# Altium PCB NG2093.PcbDoc (part 6 of 8)
Units mm, origin at the board's own origin, x right, y up, seen from the top; angles counter-clockwise.
Board outline 125 x 63 mm, 6 copper layers (Top Copper, Signal Layer 1, Signal Layer 2, Signal Layer 3, Signal Layer 4, Bottom Copper), stack 1.579 mm thick; 379 components, 295 nets, 1557 pads, 1142 vias.
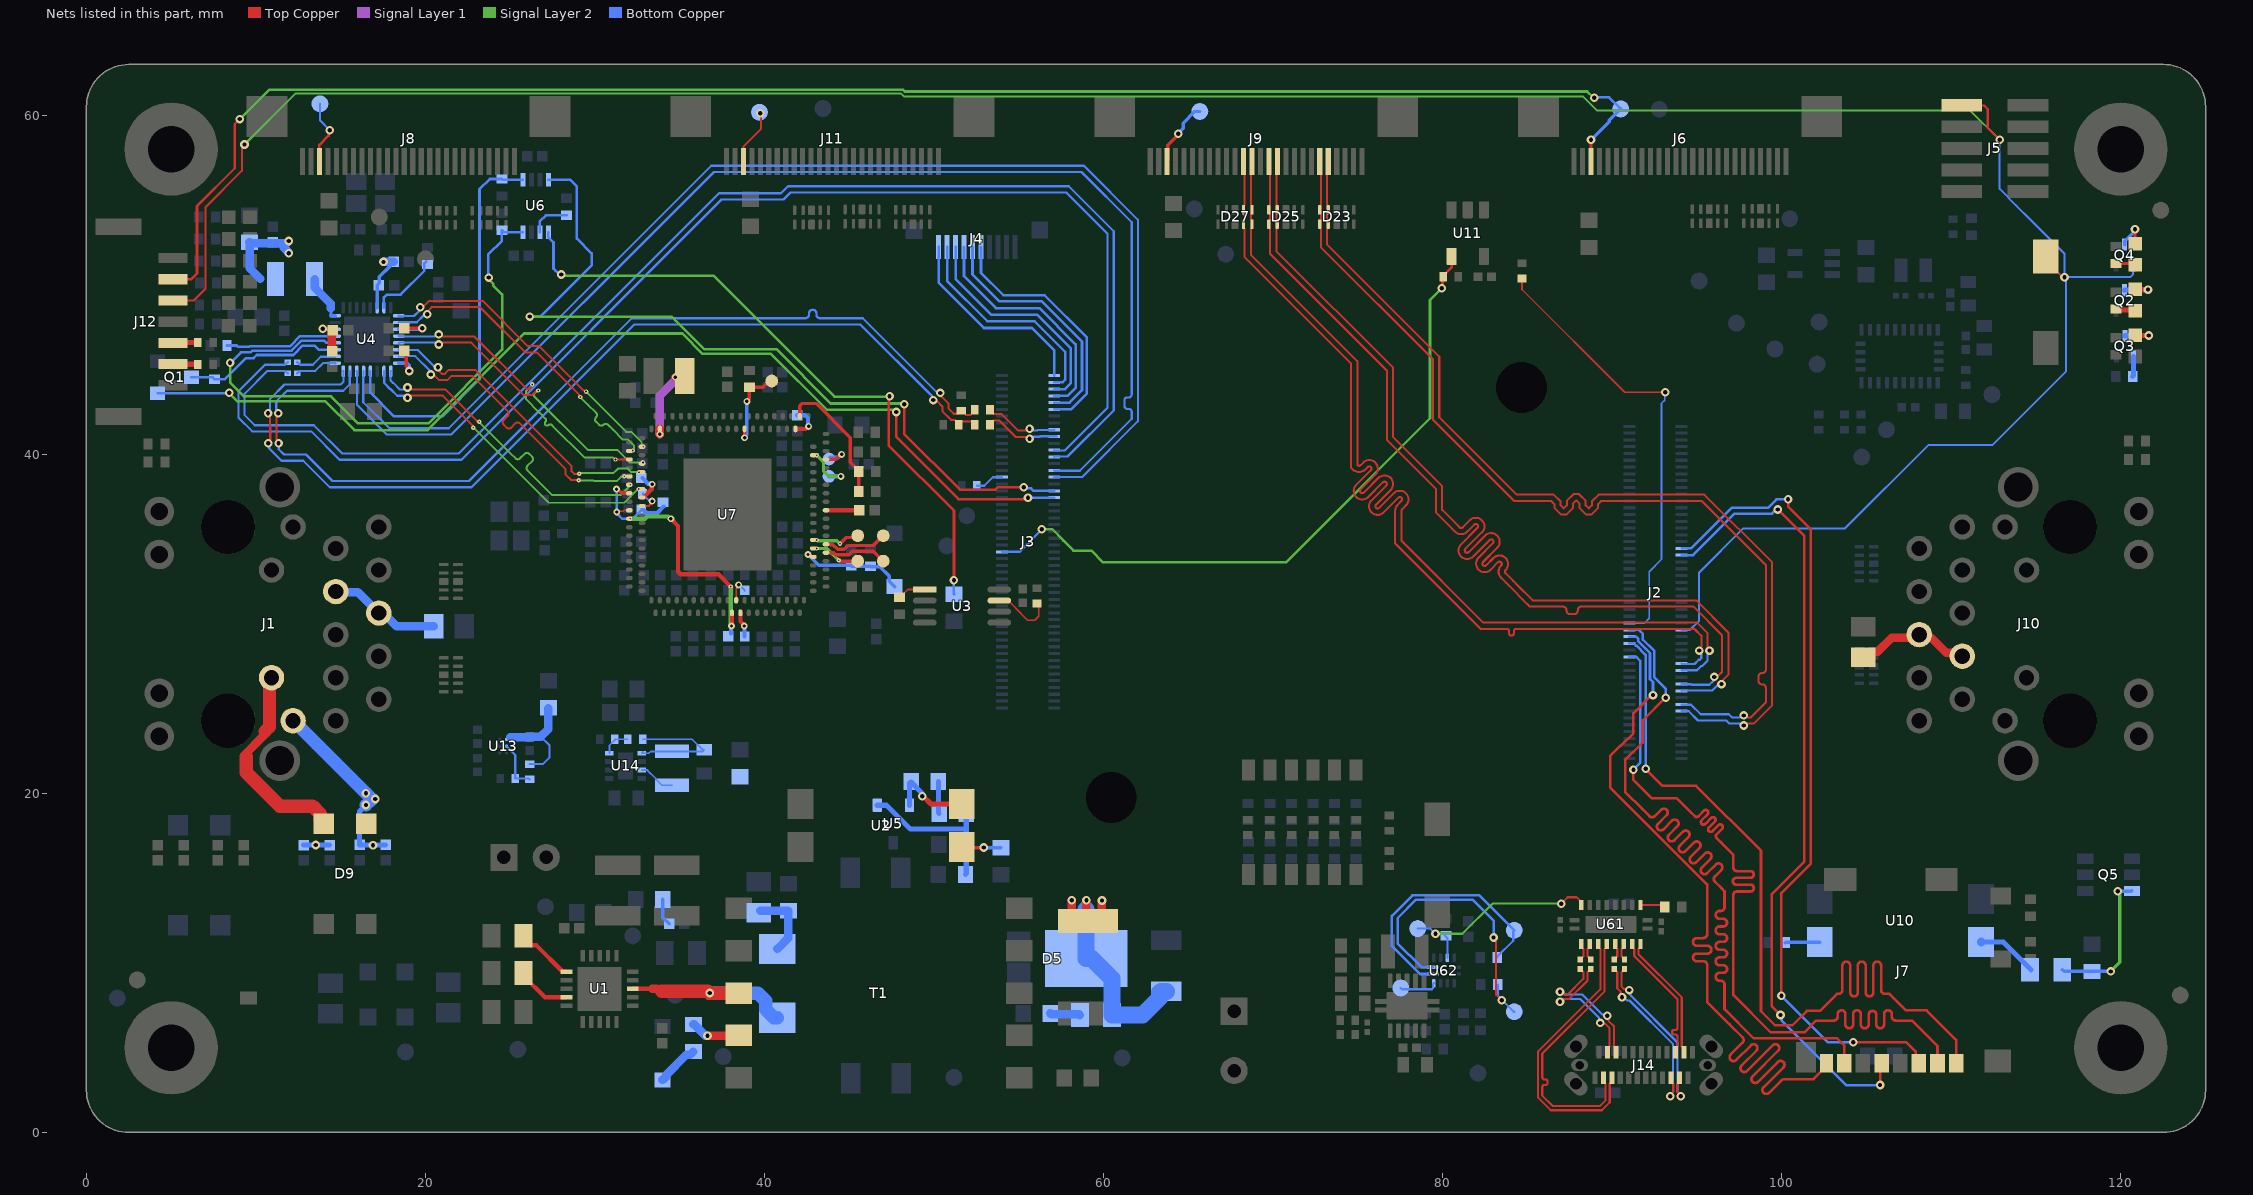
[diagram p10: the nets of this part, all layers, seen from the top]

## Via types
v1: diameter 0.508, hole 0.254, Top Copper to Bottom Copper, tented both sides, 835 vias
v2: diameter 0.406, hole 0.203, Top Copper to Bottom Copper, tented both sides, 150 vias
v3: diameter 0.406, hole 0.2, Top Copper to Bottom Copper, tented both sides, 76 vias
v4: diameter 0.254/0/0.254 (per signal layer), hole 0.102, Top Copper to Signal Layer 2, tented both sides, 51 vias
v5: diameter 0.5, hole 0.2, Top Copper to Bottom Copper, tented both sides, 24 vias
v6: diameter 0.406/0.406/0/0.406/0.406/0.406 (per signal layer), hole 0.2, Top Copper to Bottom Copper, tented both sides, 6 vias

## Nets (pads, with @x,y where several pads share a name; then routed paths per layer and width w, separated by ;. In a path a pad name is that pad's centre, name@x,y a point inside that pad or via, vN(x,y) a via of type N, cw(c..) or ccw(c..) an arc to the next point about the centre after c; other vN are vias at no path point) (continued)
MIPI_D1_N: D23.4 D23.7 J2.15 J9.5 | length 57.7
  Top Copper w0.12: J9.5@73.25,57.275 73.185,57.21 73.185,55.457 73.185,54.71 73.21,54.685 73.21,54.458 D23.4@73.25,54.418 73.21,54.378 73.21,54.15 73.185,54.125 73.185,53.875 73.21,53.85 73.21,53.623 D23.7@73.25,53.583 73.21,53.543 73.21,53.315 73.185,53.29 73.185,52.37 79.797,45.758 79.797,42.184 84.363,37.619 85.265,37.619 86.55,37.619 86.952,37.217 86.952,36.995 87.137,36.81 87.322,36.995 87.322,37.257 87.723,37.659 88.03,37.659 88.432,37.257 88.432,36.995 88.617,36.81 88.802,36.995 88.802,37.217 89.203,37.619 89.525,37.619 90.126,37.619 90.128,37.617 90.472,37.617 90.474,37.619 95.436,37.619 99.431,33.625 99.431,25.21 98.337,24.117 97.968,24.117 97.855,24.003 v1(97.75,24.003)
  Bottom Copper w0.13: J2.15@94.09,24.85 94.092,24.852 94.51,24.852 95.064,24.298 96.729,24.298 96.908,24.119 97.532,24.119 97.648,24.003 v1(97.75,24.003)
MIPI_D1_P: D23.5 D23.6 J2.17 J9.6 | length 57.6
  Top Copper w0.12: J9.6@72.75,57.275 72.815,57.21 72.815,55.304 72.815,54.71 72.79,54.685 72.79,54.458 D23.5@72.75,54.418 72.79,54.378 72.79,54.15 72.815,54.125 72.815,53.875 72.79,53.85 72.79,53.623 D23.6@72.75,53.583 72.79,53.543 72.79,53.315 72.815,53.29 72.815,52.217 79.427,45.604 79.427,42.031 84.21,37.249 85.265,37.249 86.397,37.249 86.582,37.064 86.582,36.842 86.983,36.44 87.29,36.44 87.692,36.842 87.692,37.104 87.877,37.289 88.062,37.104 88.062,36.842 88.463,36.44 88.77,36.44 89.172,36.842 89.172,37.064 89.357,37.249 89.525,37.249 95.283,37.249 99.061,33.471 99.061,28.032 99.061,27.302 cw(c98.86,27.302) 98.86,27.101 98.829,27.101 ccw(c98.829,26.9) 98.628,26.9 98.628,26.632 ccw(c98.829,26.632) 98.829,26.431 98.86,26.431 cw(c98.86,26.23) 99.061,26.23 99.061,25.863 99.061,25.363 98.184,24.487 97.968,24.487 97.855,24.6 v1(97.75,24.6)
  Bottom Copper w0.13: J2.17@94.09,25.25 94.107,25.233 94.647,25.233 95.216,24.664 96.88,24.664 97.06,24.485 97.532,24.485 97.648,24.6 v1(97.75,24.6)
MIPI_D2_N: D25.4 D25.7 J2.21 J9.11 | length 57.7
  Top Copper w0.12: J9.11@70.25,57.275 70.185,57.21 70.185,55.457 70.185,54.71 70.21,54.685 70.21,54.275 70.25,54.235 70.21,54.195 70.21,54.15 70.185,54.125 70.185,53.875 70.21,53.85 70.21,53.805 70.25,53.765 70.21,53.725 70.21,53.315 70.185,53.29 70.185,51.984 77.073,45.097 77.073,41.009 79.965,38.117 79.965,36.726 80.821,35.871 80.94,35.752 80.994,35.697 ccw(c81.089,35.793) 81.185,35.697 81.651,36.164 81.661,36.164 cw(c81.954,35.752) 82.311,36.109 cw(c81.954,35.752) 82.311,35.395 81.342,34.426 ; 81.341,34.425 ccw(c81.437,34.33) 81.341,34.235 ccw(c81.437,34.33) 81.532,34.235 82.556,35.259 82.566,35.259 cw(c82.859,34.847) 83.216,35.204 cw(c82.859,34.847) 83.216,34.49 82.377,33.651 ccw(c82.472,33.555) 82.377,33.46 ccw(c82.472,33.555) 82.568,33.46 82.995,33.887 cw(c83.352,33.53) 83.709,33.887 cw(c83.352,33.53) 83.709,33.173 ccw(c83.805,33.078) 83.709,32.982 84.157,32.534 ; 84.157,32.534 84.385,32.307 85.304,31.387 94.953,31.387 96.847,29.493 96.847,27.009 96.522,26.683 96.522,26.522 v1(96.448,26.448)
  Bottom Copper w0.13: J2.21@94.09,26.05 94.107,26.067 94.647,26.067 94.651,26.071 95.907,26.071 96.212,26.376 96.375,26.376 v1(96.448,26.448)
MIPI_D2_P: D25.5 D25.6 J2.23 J9.12 | length 57.6
  Top Copper w0.12: J9.12@69.75,57.275 69.815,57.21 69.815,55.304 69.815,54.71 69.79,54.685 69.79,54.275 69.75,54.235 69.79,54.195 69.79,54.15 69.815,54.125 69.815,53.875 69.79,53.85 69.79,53.805 69.75,53.765 69.79,53.725 69.79,53.315 69.815,53.29 69.815,51.831 76.703,44.944 76.703,40.856 79.595,37.964 79.595,36.573 80.559,35.609 80.678,35.49 80.732,35.436 ccw(c81.089,35.793) 81.446,35.436 81.858,35.847 cw(c81.954,35.752) 82.049,35.848 cw(c81.954,35.752) 82.049,35.657 81.025,34.633 81.025,34.623 ccw(c81.437,34.33) 81.08,33.973 ccw(c81.437,34.33) 81.795,33.974 82.763,34.942 ; 82.764,34.943 cw(c82.859,34.847) 82.955,34.943 cw(c82.859,34.847) 82.955,34.752 82.115,33.912 ccw(c82.472,33.555) 82.115,33.198 ccw(c82.472,33.555) 82.829,33.198 83.257,33.626 cw(c83.352,33.53) 83.448,33.626 cw(c83.352,33.53) 83.448,33.435 ccw(c83.805,33.078) 83.448,32.72 83.747,32.422 83.896,32.272 84.123,32.045 84.734,31.434 85.151,31.017 86.367,31.017 87.097,31.017 cw(c87.097,30.816) 87.298,30.816 87.298,30.786 ccw(c87.499,30.786) 87.499,30.585 87.767,30.585 ccw(c87.767,30.786) 87.968,30.786 87.968,30.816 cw(c88.169,30.816) 88.169,31.017 90.3,31.017 94.8,31.017 96.477,29.34 96.477,27.162 96.26,26.944 96.1,26.944 v1(96.025,26.87)
  Bottom Copper w0.13: J2.23@94.09,26.45 94.107,26.433 94.655,26.433 94.676,26.412 95.731,26.412 95.953,26.635 95.953,26.798 v1(96.025,26.87)
MIPI_D3_N: D27.1 D27.10 J2.27 J9.14 | length 57.6
  Top Copper w0.12: J9.14@68.75,57.275 68.685,57.21 68.685,54.71 68.71,54.685 68.71,54.275 68.75,54.235 68.71,54.195 68.71,54.15 68.685,54.125 68.685,53.875 68.71,53.85 68.71,53.805 68.75,53.765 68.71,53.725 68.71,53.315 68.685,53.29 68.685,51.781 74.972,45.494 74.972,40.166 74.972,39.36 ccw(c75.065,39.459) 75.16,39.363 75.364,39.567 75.374,39.567 cw(c75.667,39.156) 76.024,39.513 cw(c75.667,39.156) 76.024,38.799 75.162,37.936 ; 75.161,37.936 ccw(c75.256,37.84) 75.161,37.745 ccw(c75.256,37.84) 75.352,37.745 76.269,38.662 76.279,38.662 cw(c76.572,38.251) 76.929,38.608 cw(c76.572,38.251) 76.929,37.894 76.067,37.031 ; 76.066,37.031 ccw(c76.161,36.935) 76.066,36.84 ccw(c76.161,36.935) 76.257,36.84 77.174,37.757 77.184,37.757 cw(c77.477,37.346) 77.834,37.703 cw(c77.477,37.346) 77.834,36.989 77.608,36.762 ccw(c77.703,36.667) 77.568,36.667 77.568,35.486 77.568,34.894 82.394,30.067 95.007,30.067 95.622,29.452 95.622,28.643 95.736,28.53 v1(95.736,28.425)
  Bottom Copper w0.13: J2.27@94.09,27.25 94.107,27.267 95.001,27.267 95.252,27.518 95.314,27.518 95.62,27.824 95.62,28.207 95.736,28.323 v1(95.736,28.425)
MIPI_D3_P: D27.2 D27.9 J2.29 J9.15 | length 57.5
  Top Copper w0.12: J9.15@68.25,57.275 68.315,57.21 68.315,54.71 68.29,54.685 68.29,54.275 68.25,54.235 68.29,54.195 68.29,54.15 68.315,54.125 68.315,53.875 68.29,53.85 68.29,53.805 68.25,53.765 68.29,53.725 68.29,53.315 68.315,53.29 68.315,51.628 74.602,45.341 74.602,39.796 74.602,39.207 74.707,39.102 ccw(c75.065,39.459) 75.422,39.102 75.571,39.251 ; 75.572,39.251 cw(c75.667,39.156) 75.762,39.251 cw(c75.667,39.156) 75.762,39.061 74.845,38.143 74.845,38.133 ccw(c75.256,37.84) 74.899,37.483 ccw(c75.256,37.84) 75.613,37.483 76.476,38.346 ; 76.477,38.346 cw(c76.572,38.251) 76.668,38.346 cw(c76.572,38.251) 76.668,38.155 75.75,37.238 75.75,37.228 ccw(c76.161,36.935) 75.804,36.578 ccw(c76.161,36.935) 76.519,36.578 77.381,37.441 ; 77.382,37.441 cw(c77.477,37.346) 77.573,37.441 cw(c77.477,37.346) 77.573,37.25 77.346,37.024 ccw(c77.703,36.667) 77.198,36.667 77.198,35.116 77.198,34.74 82.241,29.697 83.458,29.697 83.789,29.697 cw(c83.789,29.562) 83.923,29.562 83.923,29.436 ccw(c84.058,29.436) 84.058,29.301 ccw(c84.059,29.436) 84.193,29.436 84.193,29.562 cw(c84.328,29.562) 84.328,29.697 84.707,29.697 91.9,29.697 94.24,29.697 94.854,29.697 95.252,29.299 95.252,28.643 95.139,28.53 v1(95.139,28.425)
  Bottom Copper w0.13: J2.29@94.09,27.65 94.107,27.633 94.85,27.633 95.101,27.884 95.163,27.884 95.254,27.976 95.254,28.207 95.139,28.323 v1(95.139,28.425)
Mode_oclk_selH: R90.1 R93.1 U7.A69 | length 7.9
  Top Copper w0.2: U7.A69@42.075,42.25 42.075,42.85 42.225,43 43.037,43 45.047,40.99 45.047,40.894 45.054,40.886 45.054,40.56 45.047,40.552 45.047,39.528 45.55,39.025 R90.1@45.55,38.975 R93.1@45.55,37.8
MODULE_nRST: B1.2 J2.39 J5.1 J12.3 Q4.1 | length 173.6
  Top Copper w0.12: J12.3@5.1,49.075 6.325,49.075 7.025,49.775 7.025,54.575 9.175,56.725 9.175,58.205 9.245,58.275 v1(9.325,58.275) ; J5.1@110.625,60.59 110.639,60.576 111.935,60.576 112.15,60.361 112.15,59.25 v1(112.85,58.55) ; B1.2@115.575,51.675 115.575,51.425 116.473,50.527 116.601,50.527 v1(116.675,50.452)
  Signal Layer 2 w0.12: v1(9.325,58.275) 12.328,61.278 48.054,61.278 48.232,61.1 88.284,61.1 89.11,60.274 111.126,60.274 v1(112.85,58.55)
  Bottom Copper w0.12: J2.39@94.09,29.65 94.589,29.65 95.132,30.193 95.132,33.032 97.729,35.629 103.73,35.629 108.647,40.546 112.428,40.546 116.76,44.878 116.76,50.188 116.749,50.199 116.749,50.378 v1(116.675,50.452) 116.675,51.834 114.718,53.792 113.836,54.674 112.85,55.659 v1(112.85,58.55) ; v1@116.692,50.452 120.556,50.452 120.725,50.622 Q4.1@120.725,51.146
NetC4_1: C4.1 D4.1 R4.1 | length 4.2
  Bottom Copper w0.5: C4.1@39.749,13.075 R4.1@41.4,13.075 41.4,11.471 40.761,10.832 D4.1@40.75,10.832
NetC5_1: C5.1 R5.1 | length 1.8
  Bottom Copper w0.508: C5.1@56.855,7.024 56.904,6.975 58.55,6.975 R5.1@58.6,6.925
NetC6_2: C6.2 D5.1 L1.1 R5.2 | length 15.9
  Top Copper w0.5: v1(58.125,13.7) 58.125,12.93 58.575,12.48 L1.1@59.075,12.48 ; v1(58.986,13.693) 58.986,12.569 L1.1@59.075,12.48 ; v1(59.901,13.683) 59.901,12.93 59.451,12.48 L1.1@59.075,12.48
  Bottom Copper w1: 58.973,13.139 D5.1@58.973,10.25 59.32,10.25 60.5,9.07 R5.2@60.5,6.925 62.3,6.925 63.3,7.925 63.3,8.25 63.375,8.325 C6.2@63.7,8.325
NetC23_1: C23.1 U2.2 U5.2 | length 5.1
  Top Copper w0.3: v1(49.311,19.833) 49.368,19.833 49.821,19.38 51.625,19.38 U2.2@51.635,19.37
  Bottom Copper w0.3: U5.2@48.548,19.3 48.548,20.597 48.633,20.682 48.633,20.668 49.271,20.029 49.271,19.873 v1(49.311,19.833)
NetC23_2: C23.2 R17.2 | length 1.9
  Bottom Copper w0.3: C23.2@50.251,20.7 50.251,18.872 R17.2@50.298,18.825
NetC24_2: C24.2 R18.1 | length 1.6
  Bottom Copper w0.2: R18.1@33.998,13.75 33.998,12.675 C24.2@34.373,12.3
NetC50_2: C50.2 J1.4 J1.5 | length 6.9
  Bottom Copper w0.508: J1.4@14.519,31.715 J1.4@14.709,31.905 14.742,31.872 16.012,31.872 J1.5@17.249,30.635 17.518,30.635 18.304,29.849 C50.2@20.475,29.849
NetC59_2: C59.2 R39.2 R94.1 U13.A1 | length 6.4
  Bottom Copper w0.127: R39.2@26.15,21.725 26.925,21.725 27.325,22.125 27.325,22.825 26.8,23.35
  Bottom Copper w0.3: C59.2@26.15,23.325 C59.2@26.175,23.35
  Bottom Copper w0.5: 25,23.325 C59.2@26.15,23.325 ; C59.2@26.175,23.35 26.8,23.35 27.229,23.779 R94.1@27.229,25.024
NetC60_2: C60.2 L4.2 R41.2 R64.1 U14.5 | length 7.8
  Bottom Copper w0.102: U14.5@32.825,22.45 U14.5@32.75,22.375 33.18,22.375 33.28,22.475 L4.2@34.55,22.475 36.35,22.475 C60.2@36.45,22.575 36.35,22.575 35.725,23.2 R41.2@32.825,23.2
NetC66_2: C66.2 U7.A35 | length 1.5
  Top Copper w0.25: U7.A35@38.575,30.525 38.575,30.142 38.8,29.917 v3(38.8,29.875) ; U7.A35@38.575,30.553 U7.A35@38.575,30.65
  Bottom Copper w0.25: v3(38.8,29.875) 38.813,29.863 38.813,29.288 C66.2@38.825,29.275
NetC112_2: C112.2 D29.2 R89.2 U7.B43 | length 6.4
  Top Copper w0.2: v3(42.565,34.09) 42.604,34.051 42.686,34.051 42.786,33.95 U7.B43@42.875,33.95
  Bottom Copper w0.2: v3(42.565,34.09) 43.205,33.45 C112.2@45.1,33.45 45.15,33.4 R89.2@46.25,33.4 46.283,33.367 46.808,33.367 47.35,32.825 47.35,32.525 D29.2@47.675,32.2
NetC113_2: C113.2 J10.4 J10.5 | length 6.9
  Top Copper w0.5: C113.2@104.8,28.029 105.125,28.354 105.654,28.354 106.494,29.194 107.939,29.194 J10.5@108.11,29.365 108.301,29.174 108.826,29.174 109.714,28.286 110.459,28.286 J10.4@110.65,28.095
NetC114_2: C114.2 U7.B8 | length 1.8
  Top Copper w0.25: U7.B8@32.775,37.45 32.85,37.45 33.34,37.94 33.34,38.207 v3(33.37,38.237)
  Bottom Copper w0.25: C114.2@32.8,38.6 33.133,38.267 33.34,38.267 v3(33.37,38.237)
NetC115_2: C115.2 U7.B59 | length 2
  Top Copper w0.25: U7.B59@41.825,41.5 42.412,41.5 42.558,41.645 v3(42.6,41.645)
  Bottom Copper w0.25: C115.2@41.925,42.3 42.404,42.3 42.57,42.133 42.57,41.675 v3(42.6,41.645)
NetC116_2: C116.2 U7.A56 | length 2
  Top Copper w0.25: U7.A56@43.625,36.7 C116.2@45.6,36.7
NetC117_2: C117.2 U7.A12 U7.A34 | length 12.9
  Top Copper w0.25: U7.A12@32.025,36.2 v4(32.075,36.2) ; v3(34.475,36.2) 34.9,35.775 34.9,33.071 35.048,32.923 37.277,32.923 v4(38,32.2) ; v3(38.05,29.875) 38.075,29.9 38.075,30.431 U7.A34@38.075,30.65
  Signal Layer 2 w0.25: v4(32.075,36.2) 32.95,36.2 33.079,36.33 34.303,36.33 34.433,36.2 v3(34.475,36.2) ; v4(38,32.2) 38,29.967 38.05,29.917 v3(38.05,29.875)
  Bottom Copper w0.25: C117.2@38.025,29.425 38.02,29.43 38.02,29.845 v3(38.05,29.875)
NetC128_1: C128.1 R76.2 U7.A9 U7.A11 | length 6.5
  Top Copper w0.102: v3(31.285,36.6) 31.335,36.65 31.662,36.65 31.712,36.7 U7.A11@32.025,36.7
  Top Copper w0.2: v6(31.27,37.945) 31.326,37.945 31.571,37.7 U7.A9@32.025,37.7
  Bottom Copper w0.15: v6(31.27,37.945) 31.278,37.938 31.278,36.608 v3(31.285,36.6) ; v3@31.35,36.6 31.334,36.584 31.334,36.482 31.35,36.466 31.35,36.447 31.597,36.2 32.225,36.2 32.353,36.328 C128.1@32.8,36.775
  Bottom Copper w0.25: C128.1@32.8,36.775 33.05,36.525 33.65,36.525 R76.2@34.05,36.925
NetD2_2: D2.2 R3.1 | length 2.6
  Bottom Copper w0.5: D2.2@33.975,3.1 34,3.1 34.2,3.3 34.2,3.398 35.377,4.575 35.6,4.575 R3.1@35.8,4.775
NetD3_1: D3.1 Q2.3 | length 2.2
  Top Copper w0.3: D3.1@120.85,49.725 121.597,49.725 v1(121.603,49.718)
  Bottom Copper w0.3: Q2.3@120.225,49.679 120.225,49.698 121.584,49.698 v1(121.603,49.718)
NetD6_1: D6.1 Q3.3 | length 2.2
  Top Copper w0.3: D6.1@120.85,47.019 120.854,47.015 121.636,47.015 v1(121.639,47.011)
  Bottom Copper w0.3: Q3.3@120.245,46.991 120.245,47.011 v1(121.639,47.011)
NetD7_1: D7.1 Q4.3 | length 2
  Top Copper w0.2: v1(120.837,53.268) 120.837,52.444 D7.1@120.85,52.431
  Bottom Copper w0.2: Q4.3@120.225,52.366 120.225,52.571 120.778,53.124 120.778,53.209 v1(120.837,53.268)
NetJ2_42: J2.42 R82.2 | length 26.6
  Top Copper w0.102: R82.2@84.675,50.32 84.675,49.725 90.746,43.654 v1(93.124,43.654)
  Bottom Copper w0.102: J2.42@91.01,30.05 91.9,30.05 92.184,30.334 92.184,33.079 92.91,33.806 92.91,43.005 93.102,43.197 93.102,43.632 v1(93.124,43.654)
NetJ3_48: J3.48 R78.2 U11.4 | length 40.2
  Top Copper w0.152: v1(79.95,49.8) 79.987,49.837 79.987,50.437 R78.2@80.025,50.475 80.025,50.525 80.527,51.027 U11.4@80.527,51.675
  Signal Layer 2 w0.152: v1(56.355,35.58) 56.979,35.58 57.631,34.929 57.631,34.909 58.214,34.325 59.275,34.325 59.975,33.625 70.747,33.625 79.25,42.128 79.25,49.1 v1(79.95,49.8)
  Bottom Copper w0.152: J3.48@54.01,34.25 55.025,34.25 v1(56.355,35.58)
NetJ3_70: J3.70 R99.2 | length 1.7
  Bottom Copper w0.13: R99.2@52.525,38.15 52.967,38.15 53.468,38.65 J3.70@54.01,38.65
NetJ12_5: J12.5 R100.2 | length 1.5
  Top Copper w0.3: J12.5@4.9,46.575 J12.5@4.913,46.587 ; J12.5@5.113,46.587 R100.2@6.362,46.587 ; R100.2@6.375,46.6 R100.2@6.362,46.587 ; R100.2@6.562,46.587 R100.2@6.362,46.587
NetJ12_6: J12.6 R101.2 | length 1.5
  Top Copper w0.3: J12.6@4.9,45.325 J12.6@4.913,45.313 ; J12.6@5.113,45.313 R101.2@6.362,45.313 ; R101.2@6.375,45.3 R101.2@6.362,45.313 ; R101.2@6.562,45.313 R101.2@6.362,45.313
NetL4_1: L4.1 U14.7 | length 2.2
  Bottom Copper w0.102: U14.7@32.75,21.375 33.091,21.375 33.601,20.866 33.601,20.824 33.95,20.475 L4.1@34.55,20.475
NetL5_1: L5.1 U7.B75 | length 4.5
  Top Copper w0.5: v3(33.825,41.182) U7.B75@33.825,41.5 ; v3(34.73,44.55) 35.3,44.55 L5.1@35.375,44.625
  Signal Layer 1 w0.5: v3(33.825,41.182) 33.825,43.475 34.675,44.325 34.705,44.325
NetQ3_1: Q3.1 R54.1 | length 1.2
  Bottom Copper w0.3: R54.1@120.7,44.6 120.745,44.645 Q3.1@120.745,45.771
NetQ5_3: Q5.3 R51.2 R52.2 | length 8.7
  Signal Layer 2 w0.2: v1(119.4,9.5) 119.93,10.03 119.93,14.1 119.825,14.205 v1(119.825,14.225)
  Bottom Copper w0.2: R52.2@116.55,9.6 116.65,9.5 R51.2@118.3,9.5 v1(119.4,9.5) ; v1(119.825,14.225) 120.625,14.225 Q5.3@120.65,14.25
NetR3_2: R3.2 T1.2 | length 3
  Top Copper w0.508: v1(36.638,5.711) 38.459,5.711 T1.2@38.473,5.725
  Bottom Copper w0.508: R3.2@35.8,6.375 35.85,6.375 36.514,5.711 v1(36.638,5.711)
NetR14_1: R14.1 R15.2 R17.1 U5.1 | length 9.5
  Bottom Copper w0.3: U5.1@46.648,19.3 47.198,19.3 48.609,17.889 51.898,17.889 ; R14.1@51.848,15.225 51.898,15.275 51.898,17.889 ; R17.1@51.898,18.825 51.898,17.889
NetR24_1: R24.1 U2.1 | length 2.3
  Top Copper w0.203: U2.1@51.635,16.83 51.659,16.806 v1(52.932,16.806)
  Bottom Copper w0.203: v1(52.932,16.806) 53.942,16.806 R24.1@53.948,16.8
NetR39_1: R39.1 R40.2 U13.B1 | length 3
  Bottom Copper w0.127: U13.B1@24.778,22.787 25.3,22.265 R40.2@25.3,20.875 26.1,20.875 R39.1@26.15,20.825
NetR41_1: R41.1 R42.2 U14.4 | length 1.7
  Bottom Copper w0.102: U14.4@30.85,22.375 30.85,22.825 31.175,23.15 R42.2@31.175,23.2 R41.1@31.925,23.2
NetR43_1: R43.1 U3.1 | length 1.6
  Top Copper w0.102: R43.1@48,31.575 48.45,32.025 U3.1@49.45,32.025
NetR44_2: R44.2 U3.7 | length 3.7
  Top Copper w0.102: U3.7@53.85,31.375 54.375,31.375 54.813,30.937 54.813,30.914 55.513,30.214 55.941,30.214 56.179,30.452 56.179,31.096 R44.2@56.075,31.2
NetR45_2: R45.2 TP7.1 U7.B65 | length 5.1
  Top Copper w0.2: v3(38.825,40.98) U7.B65@38.825,41.5 ; v3(38.957,43.125) 39.1,43.269 R45.2@39.1,43.95 39.901,43.95 40.276,44.325 TP7.1@40.425,44.325
  Bottom Copper w0.2: v3(38.825,40.98) 38.825,41.031 38.957,41.163 v3(38.957,43.125)
NetR48_2: R48.2 U4.31 | length 4.2
  Bottom Copper w0.152: U4.31@17.55,48.65 17.55,49.257 17.718,49.425 18.525,49.425 19.929,50.829 R48.2@19.929,51.275 ; R48.2@19.944,51.267 R48.2@20.049,51.372
NetR50_1: R50.1 U6.6 | length 2.4
  Bottom Copper w0.152: U6.6@26.75,53.1 26.75,53.75 27.1,54.1 R50.1@28.325,54.1
NetR52_1: R52.1 U10.4 | length 3.6
  Bottom Copper w0.3: U10.4@111.76,11.23 113.07,11.23 R52.1@114.7,9.6
  Bottom Copper w0.5: U10.4@111.76,11.23 U10.4@111.78,11.25
NetR57_1: R57.1 U10.1 | length 2.1
  Bottom Copper w0.2: R57.1@100.2,11.2 100.23,11.23 U10.1@102.24,11.23
NetR65_2: R65.2 U7.B9 | length 1.3
  Top Copper w0.127: U7.B9@32.775,36.95 33.165,36.95 v3@33.317,37.101
  Bottom Copper w0.127: R65.2@32.85,37.675 32.85,37.625 33.178,37.297 33.317,37.297 v3(33.37,37.244)
NetR75_2: R75.2 U7.B30 | length 1.5
  Top Copper w0.102: U7.B30@38.325,31.4 38.325,32.088 38.475,32.238 v3(38.475,32.3)
  Bottom Copper w0.102: v3(38.475,32.3) 38.5,32.3 R75.2@38.825,31.975 R75.2@38.825,31.925
NetR185_1: R185.1 U61.2 | length 1.5
  Top Copper w0.127: U61.2@91.675,13.425 92.975,13.425 R185.1@93.1,13.3
NetR186_1: R186.1 TP41.1 U61.9 U62.11 | length 13
  Top Copper w0.127: v1(87,13.5) 87.375,13.875 87.9,13.875 88.175,13.6 U61.9@88.175,13.425
  Signal Layer 2 w0.127: v1(79.575,11.719) 81.158,11.719 82.939,13.5 v1(87,13.5)
  Bottom Copper w0.127: TP41.1@78.525,12.025 79.269,12.025 v1(79.575,11.719) ; v1@79.575,11.766 79.622,11.719 80.031,11.719 80.274,11.476 U62.11@80.274,10.3
NetR213_1: R213.1 TP44.1 U62.7 | length 15.5
  Bottom Copper w0.127: R213.1@83.225,10.325 83.225,10.375 84.161,11.311 84.161,11.861 TP44.1@84.225,11.925
  Bottom Copper w0.152: U62.7@79.424,9.35 78.666,9.35 77.005,11.012 77.005,12.776 78.212,13.983 82.167,13.983 TP44.1@84.225,11.925
NetR214_1: R214.1 TP43.1 U62.8 | length 17.7
  Top Copper w0.127: v1(83.001,11.501) 83.001,11.399 83.154,11.246 83.154,8.121 v1(83.482,7.794)
  Bottom Copper w0.127: R214.1@83.25,8.725 83.25,8.083 83.482,7.851 v1(83.482,7.794) 83.519,7.794 84.188,7.125 TP43.1@84.225,7.125
  Bottom Copper w0.15: U62.8@79.424,9.75 78.738,9.75 77.336,11.152 77.336,12.636 78.431,13.731 81.769,13.731 83.001,12.499 v1(83.001,11.501)
NetTP14_1: TP14.1 U7.A62 | length 1.7
  Top Copper w0.2: 43.844,39.7 44.208,39.7 44.508,40 v2(44.55,40)
  Bottom Copper w0.25: TP14.1@43.8,39.725 43.896,39.821 44.328,39.821 44.508,40 v2(44.55,40)
NetTP15_1: TP15.1 U7.B55 | length 3.2
  Top Copper w0.25: U7.B55@42.875,39.95 v4(43.075,39.95)
  Signal Layer 2 w0.2: v4(43.075,39.95) 43.475,39.55 43.475,39.025 43.8,38.7 v2(44.5,38.7)
  Bottom Copper w0.25: TP15.1@43.8,38.7 v2(44.5,38.7)
NetTP17_1: TP17.1 U7.B44 | length 2.7
  Top Copper w0.2: v4(44.375,33.746) 44.39,33.746 44.436,33.7 TP17.1@45.5,33.7
  Signal Layer 2 w0.2: v4(43.075,34.447) 43.675,34.447 v4(44.375,33.746)
NetTP18_1: TP18.1 U7.A51 | length 3.7
  Top Copper w0.2: U7.A51@43.625,34.2 43.635,34.19 44.093,34.19 44.209,34.075 44.983,34.075 45.185,34.277 46.423,34.277 TP18.1@47,33.7
NetTP20_1: TP20.1 U7.A52 | length 3.8
  Top Copper w0.2: U7.A52@43.625,34.7 43.844,34.7 43.869,34.675 44.036,34.675 44.314,34.396 44.693,34.396 44.92,34.623 46.423,34.623 TP20.1@47,35.2
NetTP21_1: TP21.1 U7.B45 | length 2.7
  Top Copper w0.2: v4(44.45,34.725) 44.82,35.095 45.395,35.095 TP21.1@45.5,35.2
  Signal Layer 2 w0.2: v4(43.075,34.948) 43.09,34.948 43.137,34.9 44.26,34.9 44.435,34.725 v4(44.45,34.725)
NetTP42_1: TP42.1 U62.6 | length 2.3